# Altium PCB ChargingDock.PcbDoc
Units mil, origin at the board's own origin, x right, y up, seen from the top; angles counter-clockwise.
Board outline 1448.03 x 1550.53 mil, 2 copper layers (Top Layer, Bottom Layer); 21 components, 12 nets, 58 pads, 44 vias.
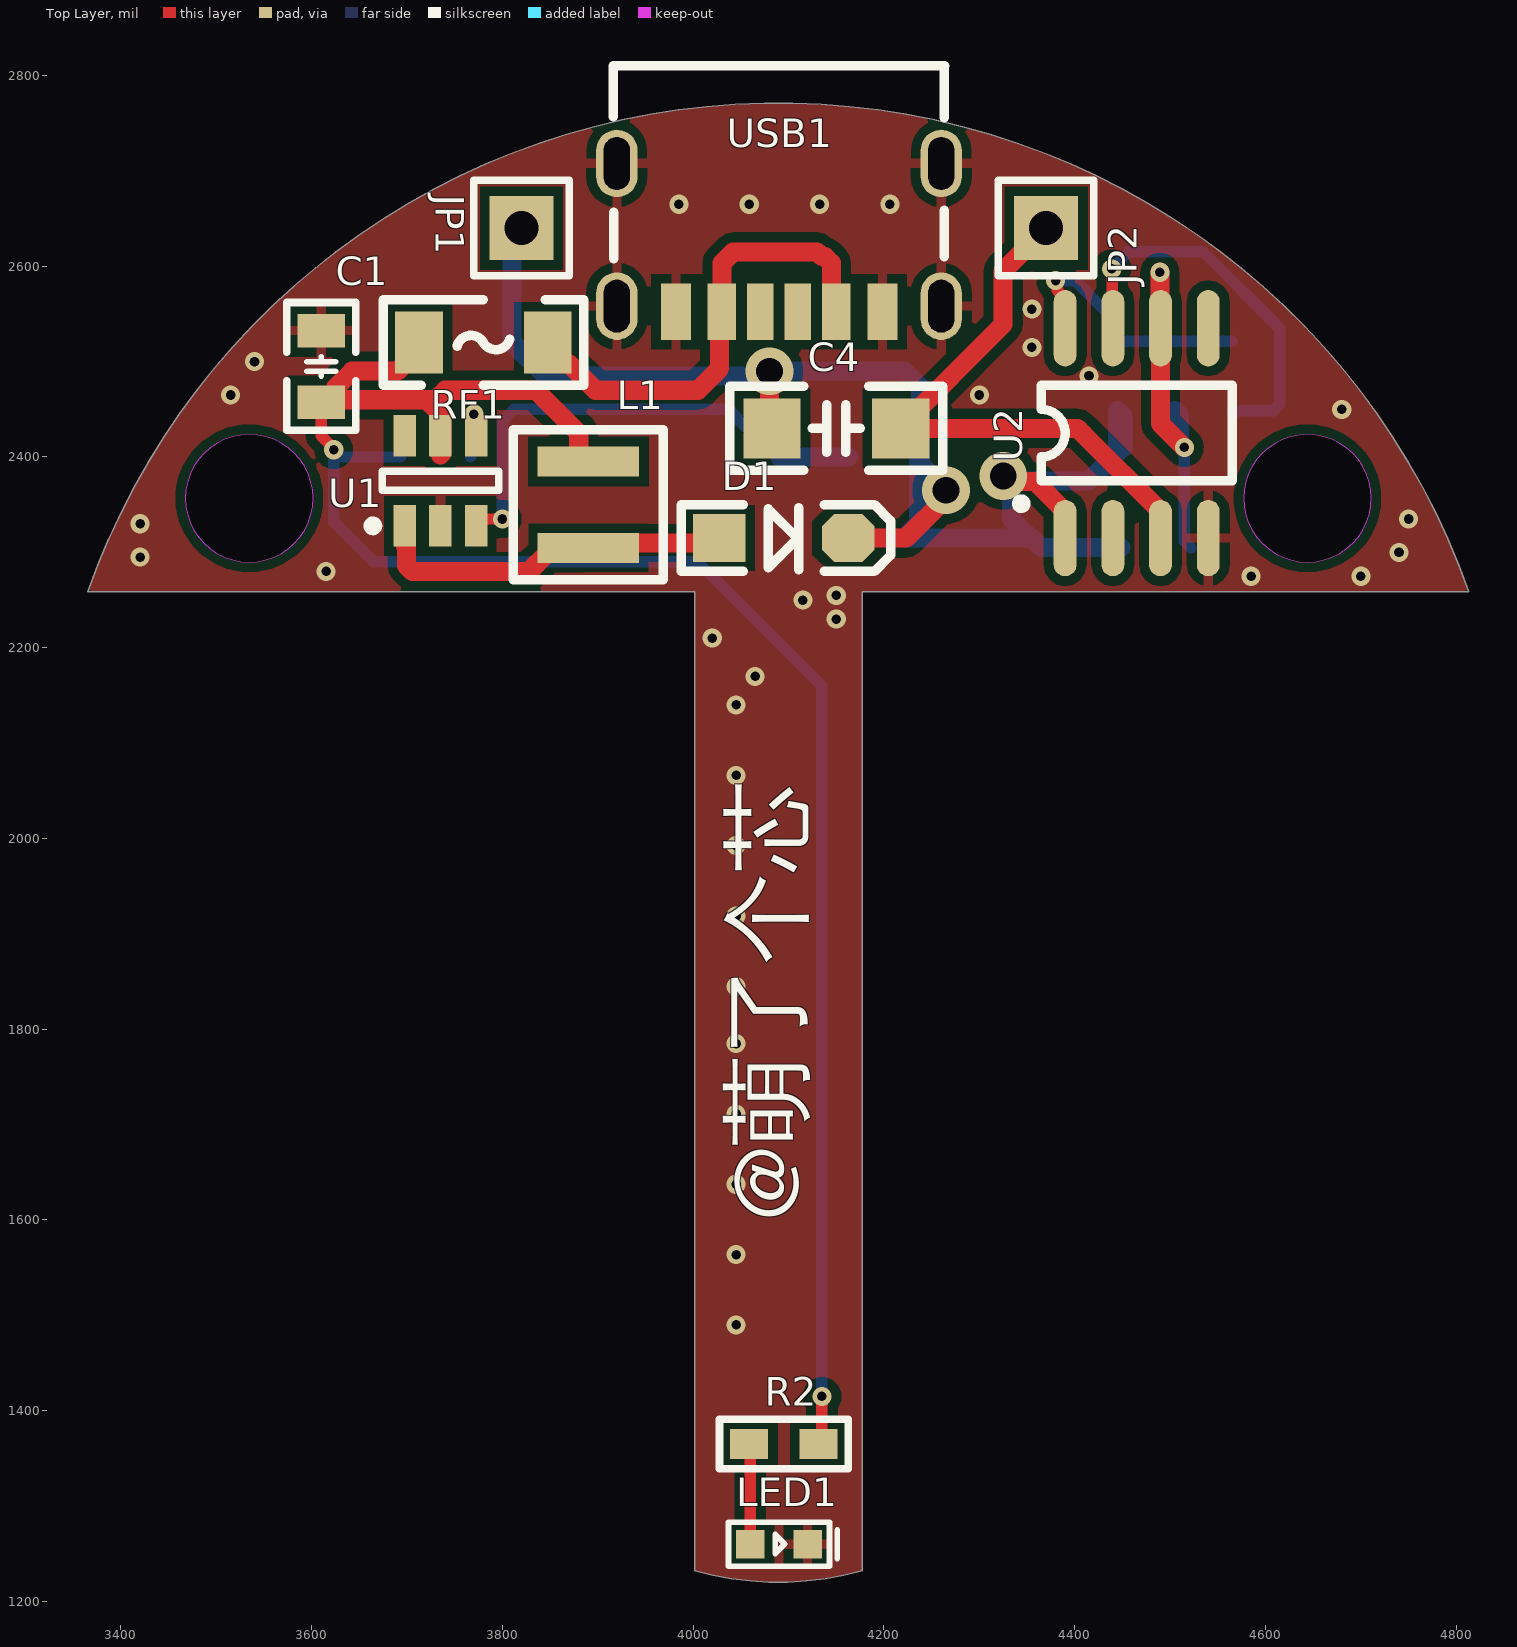
[diagram p0: Top Layer view]
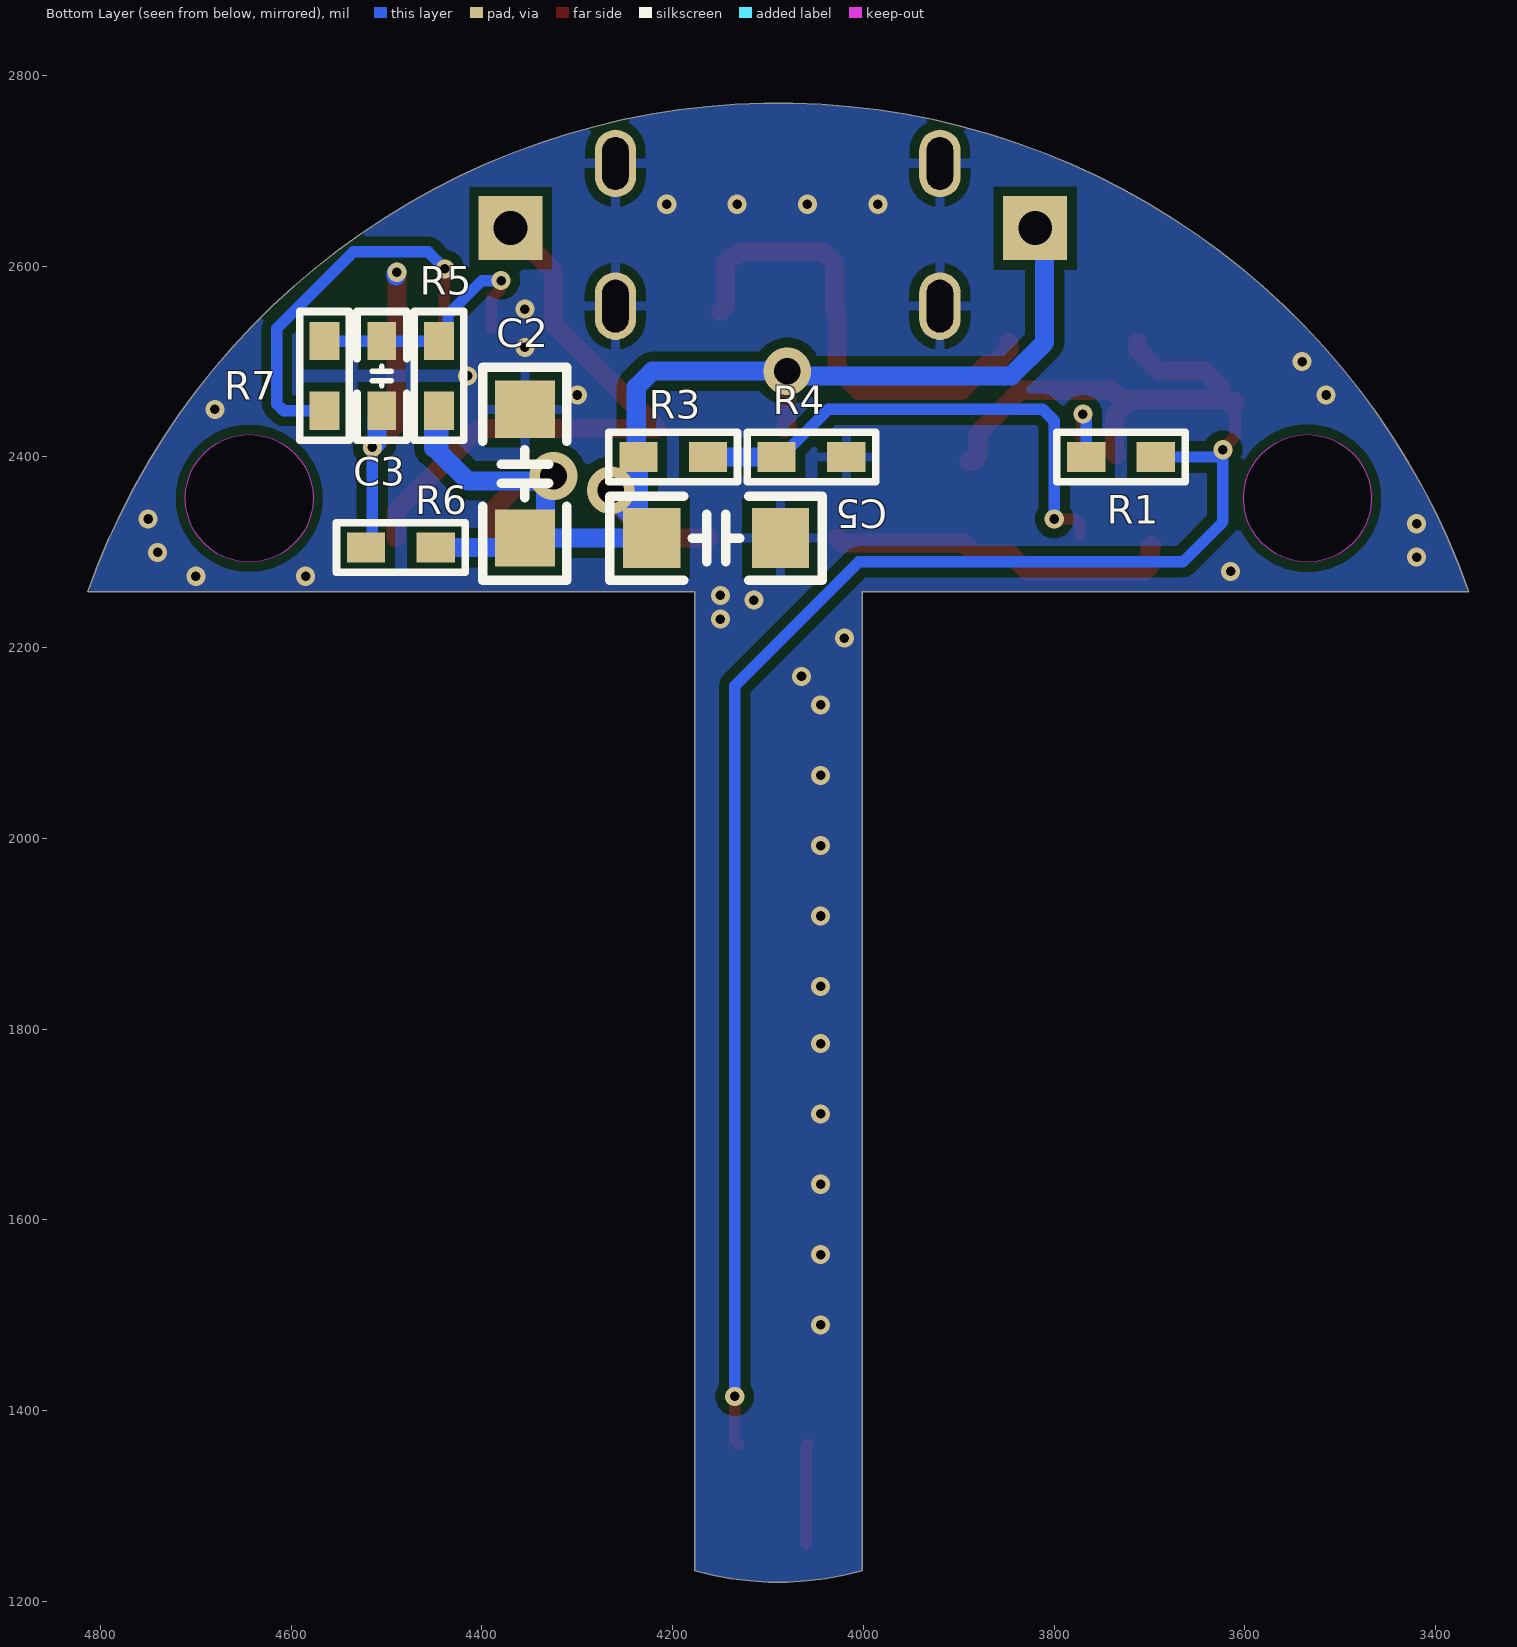
[diagram p1: Bottom Layer view, seen from below]
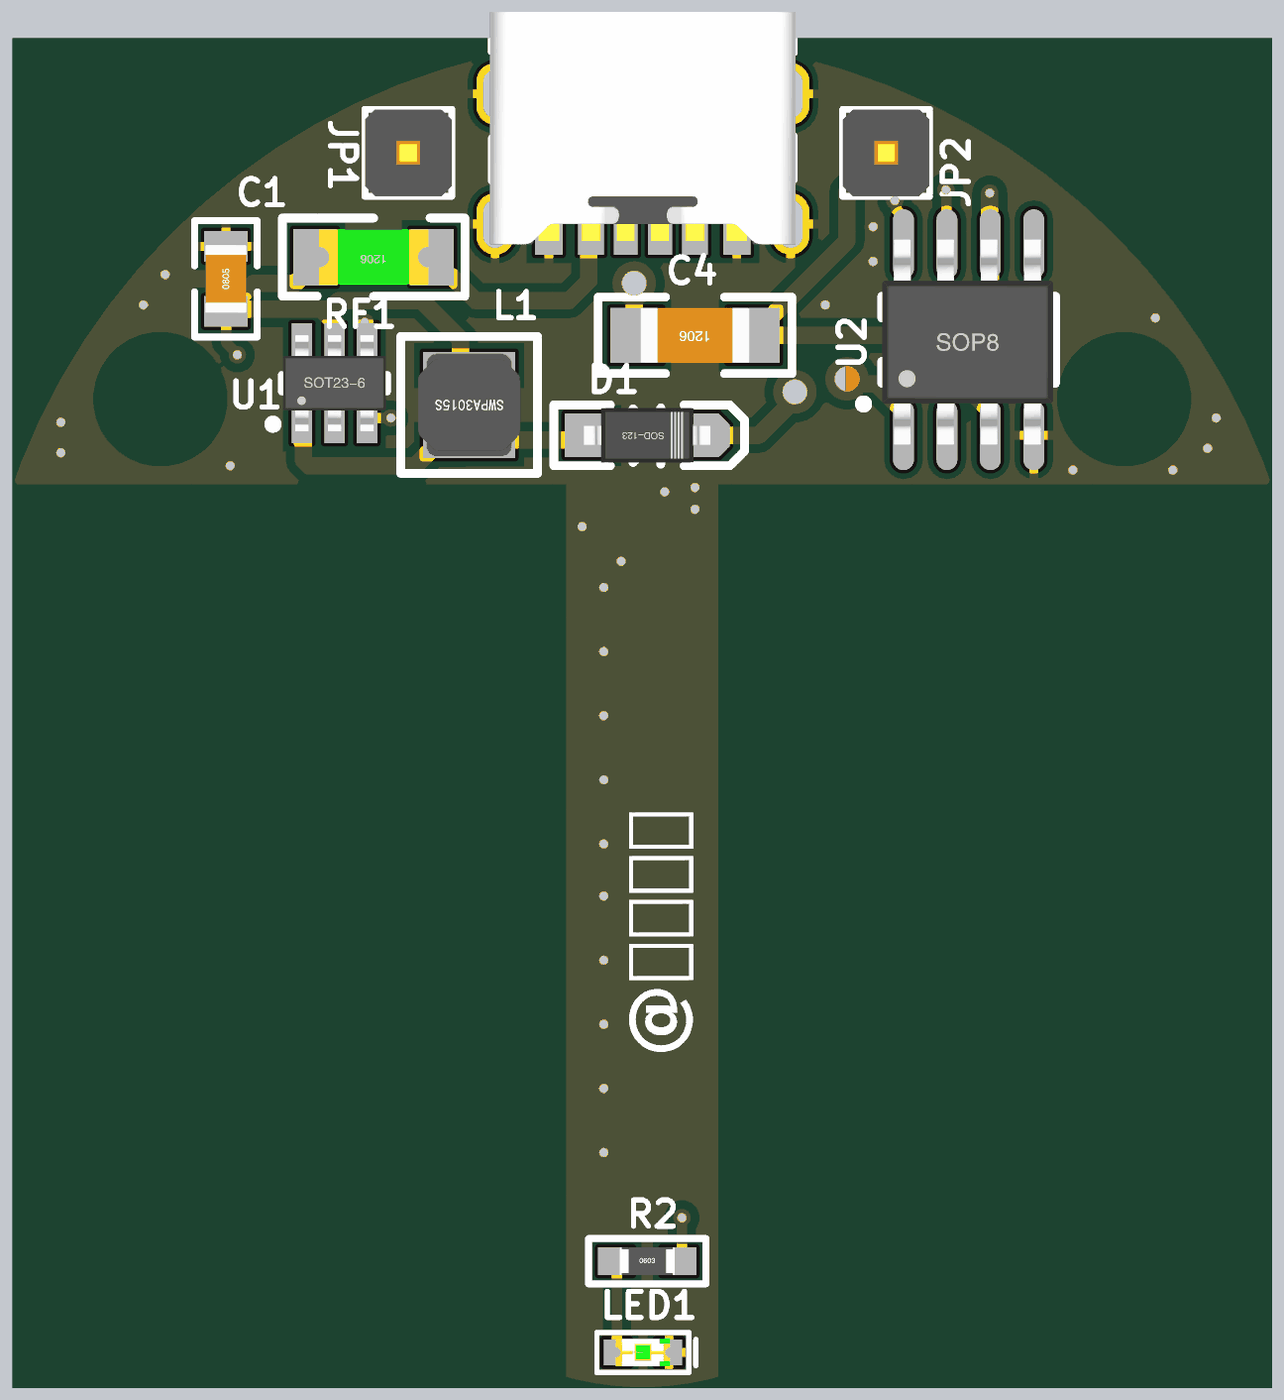
[diagram p2: 3D render of the assembled board from above, using the file's embedded part models]
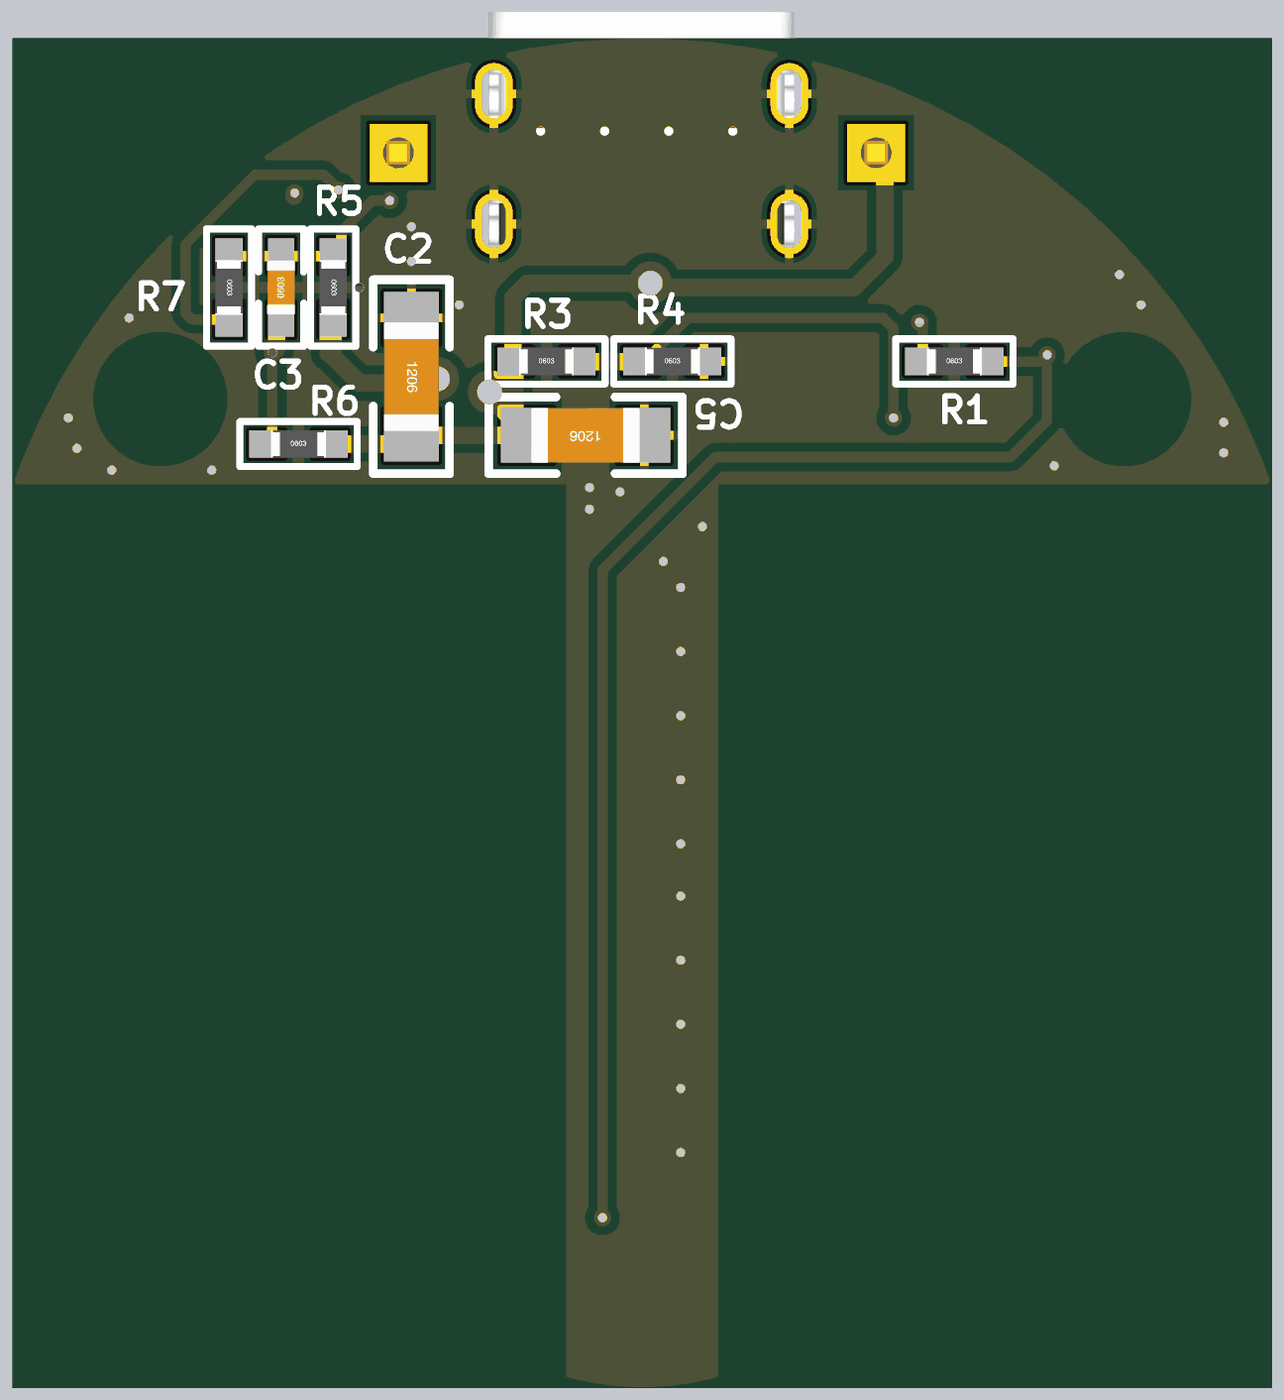
[diagram p3: 3D render of the assembled board from below, using the file's embedded part models]

## Layer stack, top to bottom
Top Solder: solder mask 0.4, Solder Resist, Dk 3.5
Top Layer: signal copper 1.4
Dielectric 1: dielectric 12.6, FR-4, Dk 4.8
Bottom Layer: signal copper 1.4
Bottom Solder: solder mask 0.4, Solder Resist, Dk 3.5

## Board outline
3365.25,2258.69 4001.53,2258.69 4001.53,1232.17 ccw(c4089.26,1549.06) 4177,1232.17 4177,2258.69 4813.28,2258.69 ccw(c4089.26,2003.36)
cut-out: 4577.08,2356.66 ccw(c4644.01,2356.66) 4644.01,2289.73 ccw(c4644.01,2356.66) 4710.94,2356.66 ccw(c4644.01,2356.66) 4644.01,2423.59 ccw(c4644.01,2356.66)
cut-out: 3467.59,2356.66 ccw(c3534.52,2356.66) 3534.52,2289.73 ccw(c3534.52,2356.66) 3601.45,2356.66 ccw(c3534.52,2356.66) 3534.52,2423.59 ccw(c3534.52,2356.66)

## Design rules (kind name [scope] priority, off if disabled: settings)
Clearance inpolygon [inpolygon] p1: gap=10 ignorepadtopadclearanceinfootprint=FALSE
Clearance [All] p2: gap=5 ignorepadtopadclearanceinfootprint=FALSE
PolygonConnect [All] p1: thpad.connectstyle=Relief thpad.reliefconductorwidth=10 thpad.reliefentries=4 thpad.polygonreliefangle="90 Angle" thpad.airgapwidth=10 smdpad.connectstyle=Relief smdpad.reliefconductorwidth=10 smdpad.reliefentries=4 smdpad.polygonreliefangle="90 Angle" smdpad.airgapwidth=10 via.connectstyle=Direct via.reliefconductorwidth=10 via.reliefentries=4 via.polygonreliefangle="90 Angle" via.airgapwidth=10
RoutingVias [All] p1: holewidth=15 width=30 viastyle="Through Hole" minholewidth=10 minwidth=20 maxholewidth=30 maxwidth=60
SolderMaskExpansion [All] p1: expansion=4 istentingtop=FALSE
Width [InNetClass('All Nets')] p1: maxlimit=50 minlimit=8 preferedwidth=12
30 further rules are at their usual default settings.

## Components (designator, comment, footprint, x,y, rotation, side; value= is the part's Value field where it differs from the comment)
C1 "22uF" C0805_L 3610,2495 r90 top
C2 "22uF/16V" C1206_M 4355,2382.5 r270 bottom
C3 "100nF NPO" C0603_M 4505,2485 r90 bottom
C4 "100nF NPO" C1206_M 4150,2430 r180 top
C5 "22uF" C1206_M 4154.54,2315 r0 bottom
D1 "B5917WS" SOD-123 4095,2315 r0 top
JP1 "HDR-1x1" HDR2.54-LI-1P 3820,2640 r0 top
JP2 "HDR-1x1" HDR2.54-LI-1P 4370,2640 r0 top
L1 "10uH" SWPA3015 3890,2350 r90 top
LED1 "R" LED0603_G 4090,1260 r0 top
R1 "100K" R0603_M 3730,2400 r180 bottom
R2 "4K7" R0603_M 4095,1365 r0 top
R3 "140K 1%" R0603_M 4199.54,2400 r180 bottom
R4 "10K 1%" R0603_M 4054.54,2400 r180 bottom
R5 "47K" R0603_M 4445,2485 r270 bottom
R6 "47K" R0603_M 4485,2305 r180 bottom
R7 "5K9" R0603_M 4565,2485 r270 bottom
RF1 "PTC" "FU 1206" 3780,2520 r180 top
U1 "SX1308" SOT23-6N 3735,2375 r90 top
U2 "XKT510" SOP8 4389,2316 r90 top locked
USB1 "USB_TYPE-C_6Pin" USB-C-SMD_6P 4090,2630 r270 top

## Footprints (in the part's own frame and the unit in brackets; to place one, negate y for a bottom-side part, rotate by r counter-clockwise, add the part's x,y. Pads: shape width x height; smd on the part's side, far side on the other; paste and mask are expansions set on the pad)
C0603_M [mil] "贴片MLCC电容"
  rect 40x30 smd: 1(-36.5,0) 2(36.5,0)
  silkscreen extent -68,-26 68,26, body extent -31,-16 31,16, height 33
C0805_L [mil] "贴片MLCC电容"
  rect 35x50 smd: 1(-37.4,0) 2(37.4,0)
  silkscreen extent -67,-36 67,36, body extent -39,-24 39,24, height 22
C1206_M [mil] "贴片MLCC电容"
  rect 60x62.99 smd: 1(-67.5,0) 2(67.5,0)
  silkscreen extent -112,-44 112,44, body extent -63,-32 63,32, height 50
"FU 1206" [mil] "贴片保险丝"
  rect 50x65 smd: 1(-67.5,0) 2(67.5,0)
  silkscreen extent -105,-45 105,45, body extent -63,-32 63,32, height 34
HDR2.54-LI-1P [mm] "排针，1脚                        联系卖家 免费查找封装"
  rect 1.7x1.7 hole 0.9: 1(0,0)
  silkscreen extent -1.27,-1.27 1.27,1.27, body extent -1.27,-1.27 1.27,1.27, height 8.5
LED0603_G [mil] "绿色0603LED"
  rect 30x30 smd: 1(-30,0) 2(30,0)
  silkscreen extent -53,-23 61,23, body extent -31,-16 31,16, height 18
R0603_M [mil] "1/10W贴片电阻"
  rect 40x31.5 smd: 1(-36.5,0) 2(36.5,0)
  silkscreen extent -68,-26 68,26, body extent -31,-16 31,16, height 16
SOD-123 [mil] "2.7x1.6X1.1mm（长宽高，不包括引脚） 淘宝ID:黄晶宝石"
  rect 55x50 smd: 1(-67.5,0)
  oct 55x50 smd: 2(67.5,0)
  silkscreen extent -108,-35 112,35, body extent -73,-32 73,31, height 50
SOP8 [mil] "联系卖家 免费查找封装"
  oval 80x24 smd: 1(-1,-1) 2(-1,-51) 3(-1,-101) 4(-1,-151) 5(219,-151) 6(219,-101) 7(219,-51) 8(219,-1)
  silkscreen extent 30,-176 159,50, body extent -12,-173 225,24, height 75
SOT23-6N [mm] "SOT-23, 6-Leads, Body 2.90x1.60mm, Pitch 0.95mm, IPC Medium Density  联系卖家 免费查找封装"
  rect 1.1x0.6 smd: 1(-1.2,0.95) 2(-1.2,0) 3(-1.2,-0.95) 4(1.2,-0.95) 5(1.2,0) 6(1.2,0.95)
  silkscreen extent -1.32,-1.55 0.25,1.92, body extent -1.4,-1.5 1.4,1.5, height 1.15
SWPA3015 [mm] "轮廓3mm*3mm ，焊盘间距1.5mm          淘宝ID:黄晶宝石"
  rect 0.8x2.7 smd: 1(-1.15,0) 2(1.15,0)
  silkscreen extent -2,-2 2,2, body extent -1.5,-1.5 1.5,1.5, height 1.5
USB-C-SMD_6P [mil] "封装库来自淘宝ID:黄晶宝石"
  oval 70.82x43.31 hole 27.56 slot 55.16 at 0 deg: 0(-77.76,170.08) 0(-77.76,-170.08) 0(71.84,-170.08) 0(71.84,170.08)
  rect 59x27.6 smd: A5(77.76,19.7) B5(77.76,-19.7)
  rect 59x29.9 smd: A9(77.76,-59.85) B9(77.76,59.85)
  rect 59x31.5 smd: A12(77.76,-108.25) B12(77.76,108.25)
  silkscreen extent -180,-174 22,174, body extent -172,-176 95,176, height 127

## Part data
C1 C2 C3 C4 C5: library part C, "贴片电容/MLCC电容", BOM名称=无极性贴片电容, 联系下单店铺卖家 免费帮你查找封装="联系下单店铺卖家 免费技术支持"
D1: library part 1N5817, "肖特基二极管", BOM名称=肖特基二极管, 以赠品形式获赠本封装库的买家，还可联系卖家免费指导AD软件使用=封装库来自淘宝卖家ID：黄晶宝石
JP1 JP2: library part "Header 1", "1P接插件", BOM名称=2P接插件, 封装库来自淘宝卖家ID：黄晶宝石=其他店铺购入均为盗版封装库，请立即申请退款，本店现金奖励50~200元, 联系卖家，免费查找封装=唯一出售店铺网址https://shop463601444.taobao.com
L1: library part L-SWPA, "顺络_SWPA贴片屏蔽电感", BOM名称=功率屏蔽电感, 联系下单店铺卖家 免费帮你查找封装="联系下单店铺卖家 免费技术支持"
LED1: library part LED, "贴片LED", BOM名称=贴片LED, 封装库来自淘宝卖家：黄晶宝石=其他店铺购入均为盗版封装库，请立即申请退款，本店现金奖励200~1000元
R1 R2 R3 R4 R5 R6 R7: library part R, "贴片电阻", BOM名称=贴片电阻, 联系下单店铺卖家 免费帮你查找封装="联系下单店铺卖家 免费技术支持"
RF1: library part FU-PPTC_SMD, "PPTC贴片自恢复保险丝", BOM名称=PPTC自恢复保险丝, 封装库来自淘宝卖家：黄晶宝石=其他店铺购入均为盗版封装库，请立即申请退款，本店现金奖励200~1000元, 联系卖家，免费查找封装=唯一出售店铺网址https://shop463601444.taobao.com
U1: "可调2A升压芯片", BOM名称=可调升压芯片, 封装库来自淘宝卖家：黄晶宝石=其他店铺购入的买家，请立即申请退款，本店现金奖励200~1000元
U2: "XKT510无线充充电芯片"
USB1: "USB_TYPE-C_6Pin母座", 联系下单店铺卖家 免费帮你查找封装=封装库来自淘宝卖家ID：黄晶宝石

## Via types
v1: diameter 20, hole 10, Top Layer to Bottom Layer, tented both sides, 41 vias
v2: diameter 50, hole 28, Top Layer to Bottom Layer, tented both sides, 3 vias

## Nets (pads, with @x,y where several pads share a name; then routed paths per layer and width w, separated by ;. In a path a pad name is that pad's centre, name@x,y a point inside that pad or via, vN(x,y) a via of type N, cw(c..) or ccw(c..) an arc to the next point about the centre after c; other vN are vias at no path point)
9V: C2.2 C4.2 C5.2 D1.2 JP1.1 R3.1 R5.2 R6.2 U2.1 | length 1678.2
  Top Layer w20: v2(4080,2490) 4080,2432.5 C4.2 ; D1.2 4223.08,2315 4265,2356.92 v2(4265,2365) ; v2(4325,2380) 4330.74,2374.26 4358.74,2374.26 4388.69,2344.31 4388.69,2316.31 U2.1
  Bottom Layer w20: JP1.1 3810,2630 3810,2520 3845,2485 4075,2485 v2(4080,2490) 4221.57,2490 4238.28,2473.28 4238.28,2391.72 v2(4265,2365) 4265,2359.46 C5.2@4236.04,2330.5 ; R3.1 C5.2@4236.04,2330.5 ; R6.2 4365,2305 C2.2 C2.2@4353.5,2315 ; 4450.75,2409.25 4450.75,2442.75 R5.2 4445,2405 4415,2375 4330,2375 v2(4325,2380) 4330.74,2374.26 4330.74,2363.14 4333.5,2360.38 4333.5,2335 C2.2@4353.5,2315 ; C5.2 C2.2@4353.5,2315 ; C5.2 4236.04,2329 C5.2@4236.04,2330.5 ; C5.2 4222.04,2316.5 C5.2@4236.04,2330.5
GND: C1.2 C2.1 C5.1 LED1.2 R4.2 U1.2 U2.4 USB1.0 USB1.A12 USB1.B12
  other v1: 4045,1490 4045,1563.75 4045,1637.5 4045,1711.25 4045,1785 4045,1845 4045,1918.75 4045,1992.5 4045,2066.25 4045,2140 4065,2170 4020,2210 4150,2230 4115,2250 4150,2255 4585,2275 4700,2275 3615,2280 3420,2295 4740,2300 3420,2330 4750,2335 4680,2450 3515,2465 4300,2465 4415,2485 3540,2500 4355,2515 4355,2555 3985,2665 4058.75,2665 4132.5,2665 4206.25,2665
NetC3_1: C3.1 R6.1 U2.6 | length 348.7
  Top Layer w20: v1(4489.28,2593.72) 4489.28,2535.72 U2.6 4490,2435 v1(4515,2410)
  Bottom Layer w12: v1(4515,2410) 4515,2311.5 R6.1
  Bottom Layer w20: v1(4489.28,2593.72) 4490,2593 v1@4490,2590 ; C3.1 4510,2443.5 4510,2415 v1(4515,2410)
NetC3_2: C3.2 R5.1 R7.1 U2.8 | length 276.3
  Top Layer w12: v1(4380,2585) 4381.53,2583.47 4381.53,2574.72 4390,2566.25 U2.8
  Bottom Layer w12: v1(4380,2585) 4400,2585 4435.65,2549.35 4435.65,2530.85 R5.1 C3.2 R7.1
NetC4_1: C4.1 JP2.1 U2.3 | length 609.7
  Top Layer w20: JP2.1 4325,2595 4325,2539 4217.5,2431.5 C4.1 4403,2430 4409,2424 4490,2343 U2.3
NetD1_1: D1.1 L1.1 U1.1 | length 367.5
  Top Layer w20: U1.1@3697.6,2307.76 3699.41,2305.94 3699.41,2286.1 3705.51,2280 3827.87,2280 3846.85,2298.98 3884.25,2298.98 L1.1 3895.14,2309.86 4022.36,2309.86 D1.1
NetLED1_1: LED1.1 R2.1 | length 105.6
  Top Layer w12: R2.1 4060,1363.5 LED1.1
NetR1_1: R1.1 U1.4 | length 70.2
  Top Layer w12: v1(3770,2445) 3771.2,2443.8 3771.2,2423.44 U1.4
  Bottom Layer w12: R1.1 3766.5,2439.34 3770,2442.84 v1(3770,2445)
NetR3_2: R3.2 R4.1 U1.3 | length 533.2
  Top Layer w12: U1.3@3772.72,2317.6 3772.72,2329.5 3778.21,2335 v1(3800,2335)
  Bottom Layer w12: v1(3800,2335) 3800,2437.97 3812.03,2450 4036.78,2450 4086.78,2400 R4.1
  Bottom Layer w20: R4.1 R3.2
NetR7_2: R7.2 U2.7 | length 411.8
  Top Layer w12: v1(4438.83,2597.33) 4439.42,2596.75 4439.42,2535.58 U2.7
  Bottom Layer w12: v1(4438.83,2597.33) 4456.5,2615 4535,2615 4615,2535 4615,2455.53 4607.97,2448.5 R7.2
NetRF1_1: RF1.1 USB1.A9 USB1.B9 | length 503.8
  Top Layer w20: RF1.1 3847.5,2512.5 3862.5,2497.5 3870,2497.5 3897.5,2470 4005,2470 4027.74,2492.74 4027.74,2549.83 USB1.A9 4030.15,2603.28 4041.87,2615 4130,2615 4135,2610 4138.13,2610 4144.9,2603.23 4144.9,2557.18 USB1.B9
VBUS: C1.1 L1.2 R1.2 R2.2 RF1.2 U1.5 | length 2106.1
  Top Layer w12: C1.1 3610,2422.1 3623.1,2409 v1(3623.1,2407.59) ; R2.2 4135,1368.5 v1(4135,1415)
  Top Layer w20: C1.1 3617.5,2457.6 C1.1@3619.91,2460 ; RF1.2 3712.5,2512.5 3690,2490 3642.41,2490 3625,2472.6 3625,2465.1 C1.1@3619.91,2460 ; U1.5@3735,2402.24 3736.81,2404.06 3736.81,2443.19 3720,2460 ; L1.2 3885.75,2395.28 3880,2401.02 3880,2425 3835,2470 3740,2470 3730,2460 3720,2460 ; C1.1@3619.91,2460 3720,2460
  Bottom Layer w12: R1.2 3630.69,2400 v1(3623.1,2407.59) 3623.1,2331.9 3665,2290 4005,2290 4135,2160 v1(4135,1415)
pads on no net: U1.6 U2.2 U2.5 USB1.A5 USB1.B5

## Polygon pours and split planes (outlines as drawn)
GND on Bottom Layer "NONET_L-01_P-001" (solid, remove dead copper, pour order 3): 3365.25,2258.69 4001.53,2258.69 4001.53,1232.17 ccw(c4089.26,1549.06) 4177,1232.17 4177,2258.69 4813.28,2258.69 ccw(c4089.26,2003.36)
GND on Top Layer "NONET_L-01_P-001" (solid, remove dead copper, pour order 2): 3365.25,2258.69 4001.53,2258.69 4001.53,1232.17 ccw(c4089.26,1549.06) 4177,1232.17 4177,2258.69 4813.28,2258.69 ccw(c4089.26,2003.36)

## Silkscreen, mask and mechanical layers (free items; w line width, h text height)
Top Overlay:
  text "@萌了个芯" at 4133.11,1600.11 h120 r90
Mechanical 1:
  circle w0.5: c3534.52,2356.66 r66.93
  circle w0.5: c4644.01,2356.66 r66.93
  lines w0.5: 3365.25,2258.69 cw(c4089.26,2003.36) 4813.28,2258.69 4177,2258.69 4177,1232.17 cw(c4089.26,1549.06) 4001.53,1232.17 4001.53,2258.69 3365.25,2258.69